# EAGLE board ControlModule-pan2 (EAGLE 7.2.0), part 4 of 9 (continued)
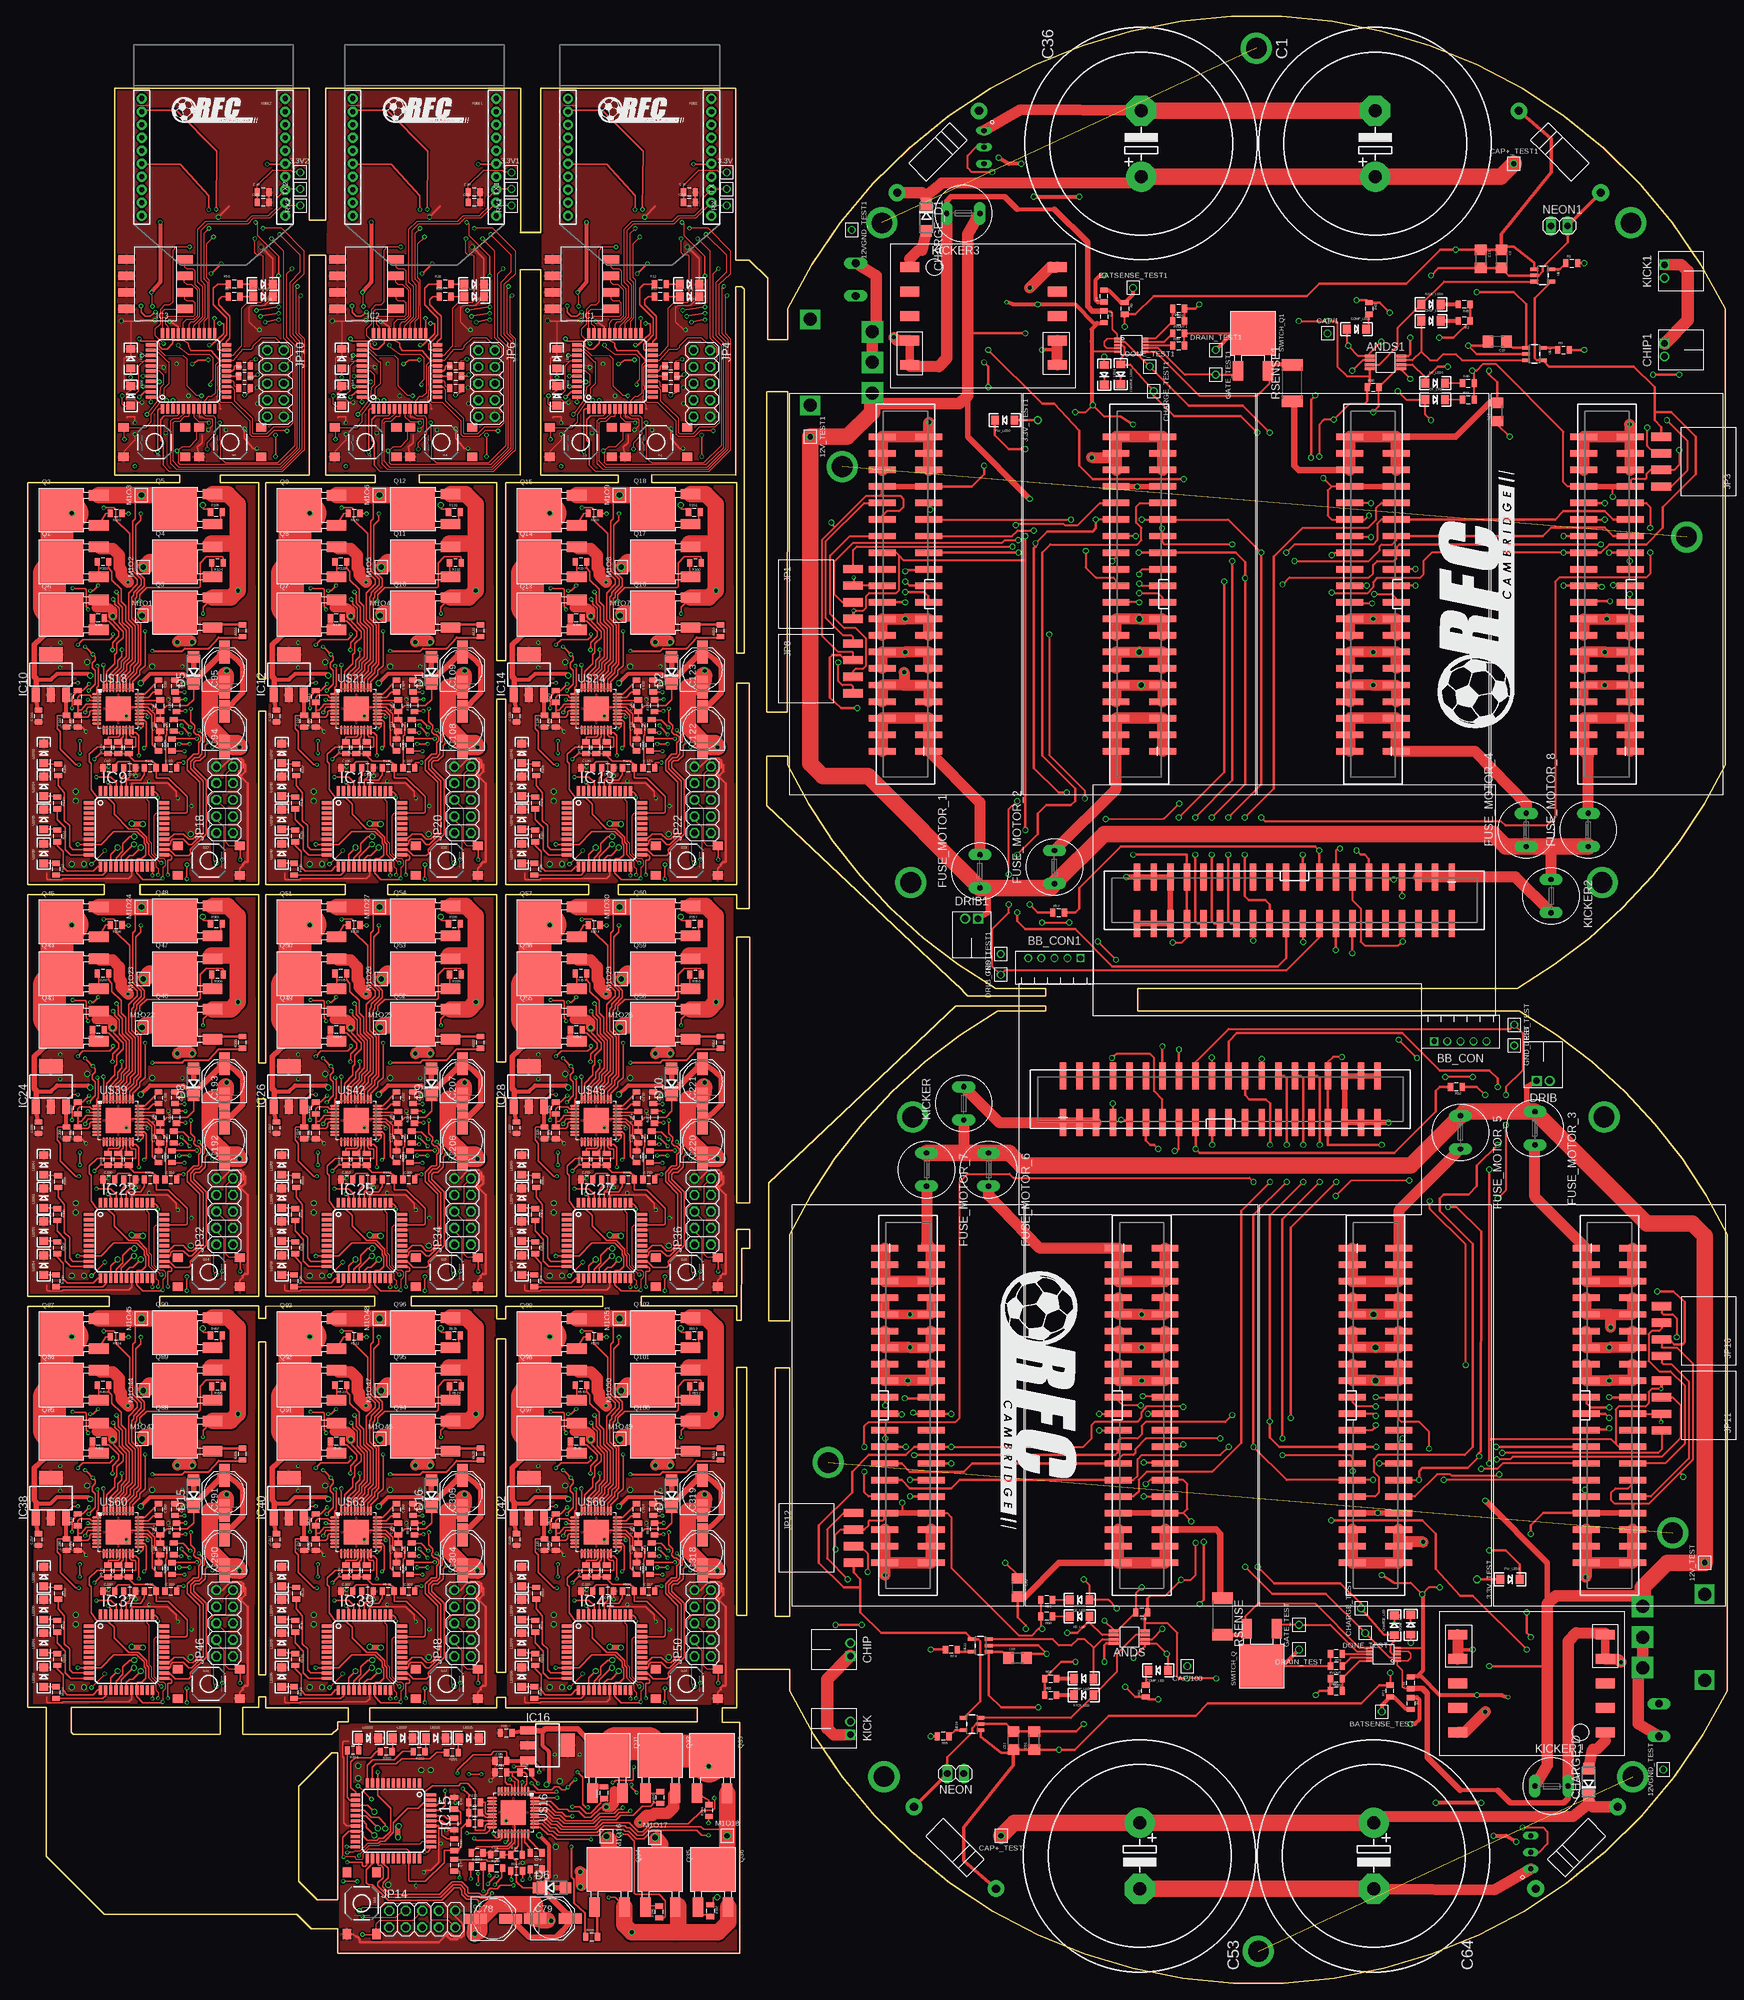
[diagram p0: board, top side]
## Tracks (layer width: path | path; a pad name or v marks a point on that pad's centre or on a via) (continued)
CHARGE  (via drill 0.6)
  Top 0.254: CHARGE_LED1.A 167.67,248.12
  Top 0.305: CHARGE_LED1.A 169.17,248.43 CHARGE_TEST1.P$1 | 167.67,248.12 167.67,249.39 168.3,250.02 168.3,250.97 167.87,251.41 CHARGE_U1.P$3
  Top 0.406: COM_BOARD1.19 v195.61,173.19 | v188.62,237.96 186.08,240.5 175.92,240.5 172.75,243.67 CHARGE_TEST1.P$1
  Bottom 0.406: v195.61,173.19 195.61,230.97 v188.62,237.96
CHARGE1  (via drill 0.38, 0.41 pad 0.25)
  Top 0.178: IC1.7 90.87,240.43 91.66,239.64 93.01,239.64 v93.17,239.48 | v94.84,239.5 94.91,234.08 95.72,233.36 103.74,233.36 106.38,236 106.38,251.38 105.15,252.61 105.15,262.34 v105.95,263.13
  Bottom 0.178: v93.17,239.48 v94.84,239.5
  Bottom 0.254: v105.95,263.13 105.15,263.93 97.69,263.93 97.37,263.53 97.37,262.73 JP2.19
CHARGE2  (via drill 0.38, 0.41 pad 0.25)
  Top 0.178: IC2.7 57.85,240.43 58.64,239.64 59.99,239.64 v60.15,239.48 | v61.82,239.5 61.89,234.08 62.7,233.36 70.72,233.36 73.36,236 73.36,251.38 72.13,252.61 72.13,262.34 v72.93,263.13
  Bottom 0.178: v60.15,239.48 v61.82,239.5
  Bottom 0.254: v72.93,263.13 72.13,263.93 64.67,263.93 64.35,263.53 64.35,262.73 JP5.19
CHARGE3  (via drill 0.38, 0.41 pad 0.25)
  Top 0.178: IC3.7 25.47,240.43 26.25,239.64 27.6,239.64 v27.76,239.48 | v29.43,239.5 29.51,234.08 30.31,233.36 38.34,233.36 40.98,236 40.98,251.38 39.75,252.61 39.75,262.34 v40.54,263.13
  Bottom 0.178: v27.76,239.48 v29.43,239.5
  Bottom 0.254: v40.54,263.13 39.75,263.93 32.29,263.93 31.97,263.53 31.97,262.73 JP9.19
CHARGE4  (via drill 0.6)
  Top 0.254: CHARGE_LED.A 209.64,53.74
  Top 0.305: CHARGE_LED.A 208.14,53.43 CHARGE_TEST.P$1 | 209.64,53.74 209.64,52.47 209.01,51.84 209.01,50.89 209.44,50.45 CHARGE_U.P$3
  Top 0.406: COM_BOARD.19 v181.7,128.67 | v188.69,63.9 191.23,61.36 201.39,61.36 204.56,58.19 CHARGE_TEST.P$1
  Bottom 0.406: v181.7,128.67 181.7,70.89 v188.69,63.9
CHARGE_DONE  (via drill 0.6)
  Top 0.305: CHARGE_U1.P$2 168.32,251.91 DONE_TEST1.P$1 | DONE_LED1.A v165.13,249.63
  Top 0.406: COM_BOARD1.17 v198.15,173.82 197.51,174.46 167.67,174.46 161.32,168.11 161.32,164.93 160.68,164.3 R52.2 | v190.53,237.96 186.4,242.08 178.15,242.08 DONE_TEST1.P$1
  Bottom 0.305: v165.13,249.63 170.61,249.63 DONE_TEST1.P$1
  Bottom 0.406: v198.15,173.82 198.15,230.34 v190.53,237.96
CHARGE_DONE1  (via drill 0.41 pad 0.25)
  Top 0.178: IC1.5 89.27,240.74 88.48,240.12 87.69,240.12 87.28,239.71 87.28,233.22 87.37,233.13 87.42,233.13 88.18,232.37 104.37,232.37 107.38,235.35 107.42,235.4 107.42,252.3 106.58,253.13 106.58,260.28
  Top 0.254: 106.58,260.28 v106.79,260.41
  Bottom 0.254: JP2.17 105.31,265.2 106.79,263.72 v106.79,260.41
CHARGE_DONE2  (via drill 0.41 pad 0.25)
  Top 0.178: IC2.5 56.25,240.74 55.46,240.12 54.67,240.12 54.26,239.71 54.26,233.22 54.35,233.13 54.4,233.13 55.16,232.37 71.35,232.37 74.36,235.35 74.4,235.4 74.4,252.3 73.56,253.13 73.56,260.28
  Top 0.254: 73.56,260.28 v73.77,260.41
  Bottom 0.254: JP5.17 72.29,265.2 73.77,263.72 v73.77,260.41
CHARGE_DONE3  (via drill 0.41 pad 0.25)
  Top 0.178: IC3.5 23.87,240.74 23.08,240.12 22.29,240.12 21.88,239.71 21.88,233.22 21.97,233.13 22.01,233.13 22.77,232.37 38.96,232.37 41.97,235.35 42.01,235.4 42.01,252.3 41.18,253.13 41.18,260.28
  Top 0.254: 41.18,260.28 v41.38,260.41
  Bottom 0.254: JP9.17 39.91,265.2 41.38,263.72 v41.38,260.41
CHARGE_DONE4  (via drill 0.6)
  Top 0.305: CHARGE_U.P$2 208.99,49.95 DONE_TEST.P$1 | DONE_LED.A v212.18,52.24
  Top 0.406: COM_BOARD.17 v179.16,128.04 179.8,127.4 209.64,127.4 215.99,133.75 215.99,136.93 216.63,137.56 R92.2 | v186.78,63.9 190.91,59.78 199.16,59.78 DONE_TEST.P$1
  Bottom 0.305: v212.18,52.24 206.71,52.24 DONE_TEST.P$1
  Bottom 0.406: v179.16,128.04 179.16,71.52 v186.78,63.9
CHIP_ENABLE  (via drill 0.6)
  Top 0.305: ANDS1.P$6 204.82,249.08 v203.23,247.48 | v210.21,244.31 211.48,243.04 CE_LED1.A 214.43,240.73 v215.29,239.86 | COM_BOARD1.13 203.23,166.2 204.5,164.93 204.5,159.85 205.13,159.22 210.21,159.22 v210.98,159.85
  Bottom 0.305: v203.23,247.48 205.77,244.31 v210.21,244.31 | v210.98,159.85 210.21,159.85 207.04,163.03 207.04,164.93 205.77,166.2 205.77,173.82 203.86,175.73 203.86,232.88 210.85,239.86 v215.29,239.86
CHIP_ENABLE1  (via drill 0.41 pad 0.25)
  Top 0.152: 103.09,238.21 103.22,238.35 105.02,238.35 v105.15,238.21
  Top 0.178: 103.09,238.21 102.3,237.42 99.76,237.42 99.44,237.73 99.44,239.8 96.58,242.66 94.99,242.66 94.87,242.77 94.87,244.13 94.97,244.22 | 103.88,265.04 100.71,268.21 100.71,269.96 100.46,270.21 v100.36,270.21
  Top 0.254: IC1.13 94.97,244.22 | v103.88,262.02 103.88,265.04
  Bottom 0.178: v103.88,262.02 102.77,260.91 102.77,254.4 105.89,251.28 105.89,238.95 v105.15,238.21 | v100.36,270.21 100.36,270.28 JP2.13
CHIP_ENABLE2  (via drill 0.41 pad 0.25)
  Top 0.152: 70.07,238.21 70.2,238.35 72,238.35 v72.13,238.21
  Top 0.178: 70.07,238.21 69.28,237.42 66.74,237.42 66.42,237.73 66.42,239.8 63.56,242.66 61.97,242.66 61.85,242.77 61.85,244.13 61.95,244.22 | 70.86,265.04 67.69,268.21 67.69,269.96 67.44,270.21 v67.34,270.21
  Top 0.254: IC2.13 61.95,244.22 | v70.86,262.02 70.86,265.04
  Bottom 0.178: v70.86,262.02 69.75,260.91 69.75,254.4 72.87,251.28 72.87,238.95 v72.13,238.21 | v67.34,270.21 67.34,270.28 JP5.13
CHIP_ENABLE3  (via drill 0.41 pad 0.25)
  Top 0.152: 37.68,238.21 37.82,238.35 39.61,238.35 v39.75,238.21
  Top 0.178: 37.68,238.21 36.89,237.42 34.35,237.42 34.03,237.73 34.03,239.8 31.18,242.66 29.59,242.66 29.47,242.77 29.47,244.13 29.56,244.22 | 38.48,265.04 35.3,268.21 35.3,269.96 35.06,270.21 v34.96,270.21
  Top 0.254: IC3.13 29.56,244.22 | v38.48,262.02 38.48,265.04
  Bottom 0.178: v38.48,262.02 37.37,260.91 37.37,254.4 40.49,251.28 40.49,238.95 v39.75,238.21 | v34.96,270.21 34.96,270.28 JP9.13
CHIP_ENABLE4  (via drill 0.6)
  Top 0.305: ANDS.P$6 172.49,52.78 v174.08,54.38 | v167.1,57.55 165.83,58.82 CE_LED.A 162.88,61.13 v162.02,62 | COM_BOARD.13 174.08,135.66 172.81,136.93 172.81,142.01 172.18,142.64 167.1,142.64 v166.33,142.01
  Bottom 0.305: v174.08,54.38 171.54,57.55 v167.1,57.55 | v166.33,142.01 167.1,142.01 170.27,138.83 170.27,136.93 171.54,135.66 171.54,128.04 173.45,126.13 173.45,68.98 166.46,62 v162.02,62
COMP_OUT  (via drill 0.6)
  Top 0.305: v170.91,60.73 170.01,59.83 R78.2 167.17,54.08 ANDS.P$1 166.6,54.24 v165.19,55.65 | COMP_LED.A 174.95,50.34 v174.72,50.57 173.15,52.13 ANDS.P$5 171.4,51.7 v169.64,49.93
  Bottom 0.305: CAP_COMP.4 173.48,60.76 v170.91,60.73 | v174.72,50.57 174.72,52.1 R83.1 | v169.64,49.93 165.19,54.38 v165.19,55.65
COMP_OUT1  (via drill 0.6)
  Top 0.305: v206.4,241.13 207.3,242.03 R38.2 210.14,247.78 ANDS1.P$1 210.71,247.62 v212.12,246.21 | COMP_LED1.A 202.36,251.52 v202.59,251.29 204.16,249.73 ANDS1.P$5 205.91,250.16 v207.67,251.93
  Bottom 0.305: CAP_COMP1.4 203.83,241.1 v206.4,241.13 | v202.59,251.29 202.59,249.76 R43.1 | v207.67,251.93 212.12,247.48 v212.12,246.21
CTS  (via drill 0.41)
  Top 0.178: IC1.24 93.25,261.39 92.87,261.77 92.87,266.96 v93.88,267.98
  Top 0.254: XBEE.12 83.07,287.42 88.17,287.42 94.4,281.19 v94.3,272.21
  Bottom 0.254: v93.88,267.98 93.85,268.04 93.85,268.2 93.85,271.77 94.26,272.18 v94.3,272.21
CTS1  (via drill 0.41)
  Top 0.178: IC2.24 60.23,261.39 59.85,261.77 59.85,266.96 v60.86,267.98
  Top 0.254: XBEE1.12 50.05,287.42 55.15,287.42 61.38,281.19 v61.28,272.21
  Bottom 0.254: v60.86,267.98 60.83,268.04 60.83,268.2 60.83,271.77 61.24,272.18 v61.28,272.21
CTS2  (via drill 0.41)
  Top 0.178: IC3.24 27.84,261.39 27.46,261.77 27.46,266.96 v28.48,267.98
  Top 0.254: XBEE2.12 17.67,287.42 22.76,287.42 29,281.19 v28.89,272.21
  Bottom 0.254: v28.48,267.98 28.44,268.04 28.44,268.2 28.44,271.77 28.86,272.18 v28.89,272.21
DATA  (via drill 0.38)
  Top 0.178: IC1.34 85.12,251.42 85.15,251.39 85.17,251.09 86.44,249.82 89.28,249.8 89.83,249.24 89.83,245.11 91.34,243.61 v92.06,243.61
  Bottom 0.178: v92.06,243.61 92.37,243.61 92.66,243.9 92.66,245.64 93.17,246.15 93.64,246.15 94.04,245.75 94.04,244.01 94.92,243.08 99.63,243.09 99.8,242.96 99.8,241.64 101,240.44 JP4.9
DATA1  (via drill 0.38)
  Top 0.178: IC2.34 52.1,251.42 52.13,251.39 52.15,251.09 53.42,249.82 56.26,249.8 56.81,249.24 56.81,245.11 58.32,243.61 v59.04,243.61
  Bottom 0.178: v59.04,243.61 59.35,243.61 59.64,243.9 59.64,245.64 60.15,246.15 60.62,246.15 61.02,245.75 61.02,244.01 61.9,243.08 66.61,243.09 66.78,242.96 66.78,241.64 67.98,240.44 JP6.9
DATA2  (via drill 0.38)
  Top 0.178: IC3.34 19.71,251.42 19.75,251.39 19.77,251.09 21.04,249.82 23.87,249.8 24.43,249.24 24.43,245.11 25.93,243.61 v26.65,243.61
  Bottom 0.178: v26.65,243.61 26.97,243.61 27.26,243.9 27.26,245.64 27.76,246.15 28.24,246.15 28.64,245.75 28.64,244.01 29.52,243.08 34.23,243.09 34.39,242.96 34.39,241.64 35.59,240.44 JP10.9
DATA6  (via drill 0.3, 0.5)
  Top 0.152: JP14.9 64.49,9.69 61.95,9.69 61.79,9.85 61.79,11.43 61,12.23 54.81,12.23 54.17,11.59 51.32,11.59 v50.84,11.12
  Top 0.254: IC15.34 61.7,20.75 61.7,20.49 61.33,20.12 v60.88,20.12
  Bottom 0.254: v50.84,11.12 49.89,11.12 49.57,11.43 49.57,17.78 49.67,17.89 49.67,28.05 51.79,30.17 59.73,30.17 61.03,28.86 61.03,20.28 v60.88,20.12
DATA8  (via drill 0.3, 0.5)
  Top 0.152: JP18.9 30.37,185.58 30.37,183.04 30.21,182.88 28.62,182.88 27.83,182.09 27.83,175.9 28.46,175.26 28.46,172.41 v28.94,171.93
  Top 0.254: IC9.34 19.31,182.79 19.56,182.79 19.94,182.42 v19.94,181.97
  Bottom 0.254: v28.94,171.93 28.94,170.98 28.62,170.66 22.27,170.66 22.17,170.76 12.01,170.76 9.89,172.88 9.89,180.82 11.19,182.12 19.78,182.12 v19.94,181.97
DATA9  (via drill 0.3, 0.5)
  Top 0.152: JP20.9 66.88,185.58 66.88,183.04 66.72,182.88 65.14,182.88 64.34,182.09 64.34,175.9 64.98,175.26 64.98,172.41 v65.45,171.93
  Top 0.254: IC11.34 55.82,182.79 56.08,182.79 56.45,182.42 v56.45,181.97
  Bottom 0.254: v65.45,171.93 65.45,170.98 65.14,170.66 58.79,170.66 58.68,170.76 48.52,170.76 46.4,172.88 46.4,180.82 47.71,182.12 56.29,182.12 v56.45,181.97
DATA10  (via drill 0.3, 0.5)
  Top 0.152: JP22.9 103.71,185.58 103.71,183.04 103.55,182.88 101.97,182.88 101.17,182.09 101.17,175.9 101.81,175.26 101.81,172.41 v102.28,171.93
  Top 0.254: IC13.34 92.65,182.79 92.91,182.79 93.28,182.42 v93.28,181.97
  Bottom 0.254: v102.28,171.93 102.28,170.98 101.97,170.66 95.62,170.66 95.51,170.76 85.35,170.76 83.23,172.88 83.23,180.82 84.54,182.12 93.12,182.12 v93.28,181.97
DATA15  (via drill 0.3, 0.5)
  Top 0.152: JP32.9 30.37,122.4 30.37,119.86 30.21,119.7 28.62,119.7 27.83,118.91 27.83,112.72 28.46,112.08 28.46,109.22 v28.94,108.75
  Top 0.254: IC23.34 19.31,119.61 19.56,119.61 19.94,119.23 v19.94,118.78
  Bottom 0.254: v28.94,108.75 28.94,107.79 28.62,107.48 22.27,107.48 22.17,107.58 12.01,107.58 9.89,109.7 9.89,117.64 11.19,118.94 19.78,118.94 v19.94,118.78
DATA16  (via drill 0.3, 0.5)
  Top 0.152: JP34.9 66.88,122.4 66.88,119.86 66.72,119.7 65.14,119.7 64.34,118.91 64.34,112.72 64.98,112.08 64.98,109.22 v65.45,108.75
  Top 0.254: IC25.34 55.82,119.61 56.08,119.61 56.45,119.23 v56.45,118.78
  Bottom 0.254: v65.45,108.75 65.45,107.79 65.14,107.48 58.79,107.48 58.68,107.58 48.52,107.58 46.4,109.7 46.4,117.64 47.71,118.94 56.29,118.94 v56.45,118.78
DATA17  (via drill 0.3, 0.5)
  Top 0.152: JP36.9 103.71,122.4 103.71,119.86 103.55,119.7 101.97,119.7 101.17,118.91 101.17,112.72 101.81,112.08 101.81,109.22 v102.28,108.75
  Top 0.254: IC27.34 92.65,119.61 92.91,119.61 93.28,119.23 v93.28,118.78
  Bottom 0.254: v102.28,108.75 102.28,107.79 101.97,107.48 95.62,107.48 95.51,107.58 85.35,107.58 83.23,109.7 83.23,117.64 84.54,118.94 93.12,118.94 v93.28,118.78
DATA22  (via drill 0.3, 0.5)
  Top 0.152: JP46.9 30.37,59.22 30.37,56.68 30.21,56.52 28.62,56.52 27.83,55.72 27.83,49.53 28.46,48.9 28.46,46.04 v28.94,45.56
  Top 0.254: IC37.34 19.31,56.42 19.56,56.42 19.94,56.05 v19.94,55.6
  Bottom 0.254: v28.94,45.56 28.94,44.61 28.62,44.29 22.27,44.29 22.17,44.4 12.01,44.4 9.89,46.52 9.89,54.45 11.19,55.76 19.78,55.76 v19.94,55.6
DATA23  (via drill 0.3, 0.5)
  Top 0.152: JP48.9 66.88,59.22 66.88,56.68 66.72,56.52 65.14,56.52 64.34,55.72 64.34,49.53 64.98,48.9 64.98,46.04 v65.45,45.56
  Top 0.254: IC39.34 55.82,56.42 56.08,56.42 56.45,56.05 v56.45,55.6
  Bottom 0.254: v65.45,45.56 65.45,44.61 65.14,44.29 58.79,44.29 58.68,44.4 48.52,44.4 46.4,46.52 46.4,54.45 47.71,55.76 56.29,55.76 v56.45,55.6
DATA24  (via drill 0.3, 0.5)
  Top 0.152: JP50.9 103.71,59.22 103.71,56.68 103.55,56.52 101.97,56.52 101.17,55.72 101.17,49.53 101.81,48.9 101.81,46.04 v102.28,45.56
  Top 0.254: IC41.34 92.65,56.42 92.91,56.42 93.28,56.05 v93.28,55.6
  Bottom 0.254: v102.28,45.56 102.28,44.61 101.97,44.29 95.62,44.29 95.51,44.4 85.35,44.4 83.23,46.52 83.23,54.45 84.54,55.76 93.12,55.76 v93.28,55.6
DIR  (via drill 0.3)
  Top 0.254: IC9.25 21.78,174.77 21.96,174.95 21.96,175.32 22.23,175.57 22.24,175.58 23.86,175.58 24.65,174.79 25.11,174.77 26.88,176.53 26.88,184.47 24.97,186.38 24.97,187.49 25.61,188.12 26.24,188.12 26.72,188.6 26.72,190.24 27.06,190.58 27.06,191.48 v26.23,192.3 | R106.2 22.7,193.84 23.83,193.84 v24.92,192.74
  Bottom 0.254: v24.92,192.74 25.8,192.74 v26.23,192.3
DIR1  (via drill 0.3)
  Top 0.254: IC11.25 58.29,174.77 58.47,174.95 58.47,175.32 58.74,175.57 58.75,175.58 60.37,175.58 61.17,174.79 61.62,174.77 63.39,176.53 63.39,184.47 61.48,186.38 61.48,187.49 62.12,188.12 62.75,188.12 63.23,188.6 63.23,190.24 63.57,190.58 63.57,191.48 v62.74,192.3 | R134.2 59.21,193.84 60.34,193.84 v61.44,192.74
  Bottom 0.254: v61.44,192.74 62.31,192.74 v62.74,192.3
DIR2  (via drill 0.3)
  Top 0.254: IC13.25 95.12,174.77 95.3,174.95 95.3,175.32 95.57,175.57 95.58,175.58 97.2,175.58 98,174.79 98.45,174.77 100.22,176.53 100.22,184.47 98.31,186.38 98.31,187.49 98.95,188.12 99.58,188.12 100.06,188.6 100.06,190.24 100.4,190.58 100.4,191.48 v99.57,192.3 | R162.2 96.04,193.84 97.17,193.84 v98.27,192.74
  Bottom 0.254: v98.27,192.74 99.14,192.74 v99.57,192.3
DIR5  (via drill 0.3)
  Top 0.254: IC15.25 53.68,18.28 53.86,18.1 54.24,18.1 54.49,17.83 54.5,17.82 54.5,16.2 53.7,15.4 53.68,14.94 55.44,13.18 63.38,13.18 65.29,15.08 66.4,15.08 67.03,14.45 67.03,13.81 67.51,13.34 69.15,13.34 69.49,13 70.39,13 v71.22,13.82 | R198.2 72.75,17.36 72.75,16.23 v71.65,15.13
  Bottom 0.254: v71.65,15.13 71.65,14.26 v71.22,13.82
DIR7  (via drill 0.3)
  Top 0.254: IC23.25 21.78,111.59 21.96,111.76 21.96,112.14 22.23,112.39 22.24,112.4 23.86,112.4 24.65,111.6 25.11,111.59 26.88,113.35 26.88,121.29 24.97,123.19 24.97,124.3 25.61,124.94 26.24,124.94 26.72,125.42 26.72,127.06 27.06,127.4 27.06,128.3 v26.23,129.12 | R302.2 22.7,130.65 23.83,130.65 v24.92,129.56
  Bottom 0.254: v24.92,129.56 25.8,129.56 v26.23,129.12
DIR8  (via drill 0.3)
  Top 0.254: IC25.25 58.29,111.59 58.47,111.76 58.47,112.14 58.74,112.39 58.75,112.4 60.37,112.4 61.17,111.6 61.62,111.59 63.39,113.35 63.39,121.29 61.48,123.19 61.48,124.3 62.12,124.94 62.75,124.94 63.23,125.42 63.23,127.06 63.57,127.4 63.57,128.3 v62.74,129.12 | R330.2 59.21,130.65 60.34,130.65 v61.44,129.56
  Bottom 0.254: v61.44,129.56 62.31,129.56 v62.74,129.12
DIR9  (via drill 0.3)
  Top 0.254: IC27.25 95.12,111.59 95.3,111.76 95.3,112.14 95.57,112.39 95.58,112.4 97.2,112.4 98,111.6 98.45,111.59 100.22,113.35 100.22,121.29 98.31,123.19 98.31,124.3 98.95,124.94 99.58,124.94 100.06,125.42 100.06,127.06 100.4,127.4 100.4,128.3 v99.57,129.12 | R358.2 96.04,130.65 97.17,130.65 v98.27,129.56
  Bottom 0.254: v98.27,129.56 99.14,129.56 v99.57,129.12
DIR14  (via drill 0.3)
  Top 0.254: IC37.25 21.78,48.4 21.96,48.58 21.96,48.96 22.23,49.21 22.24,49.22 23.86,49.22 24.65,48.42 25.11,48.4 26.88,50.17 26.88,58.11 24.97,60.01 24.97,61.12 25.61,61.76 26.24,61.76 26.72,62.23 26.72,63.88 27.06,64.21 27.06,65.12 v26.23,65.94 | R498.2 22.7,67.47 23.83,67.47 v24.92,66.38
  Bottom 0.254: v24.92,66.38 25.8,66.38 v26.23,65.94
DIR15  (via drill 0.3)
  Top 0.254: IC39.25 58.29,48.4 58.47,48.58 58.47,48.96 58.74,49.21 58.75,49.22 60.37,49.22 61.17,48.42 61.62,48.4 63.39,50.17 63.39,58.11 61.48,60.01 61.48,61.12 62.12,61.76 62.75,61.76 63.23,62.23 63.23,63.88 63.57,64.21 63.57,65.12 v62.74,65.94 | R526.2 59.21,67.47 60.34,67.47 v61.44,66.38
  Bottom 0.254: v61.44,66.38 62.31,66.38 v62.74,65.94
DIR16  (via drill 0.3)
  Top 0.254: IC41.25 95.12,48.4 95.3,48.58 95.3,48.96 95.57,49.21 95.58,49.22 97.2,49.22 98,48.42 98.45,48.4 100.22,50.17 100.22,58.11 98.31,60.01 98.31,61.12 98.95,61.76 99.58,61.76 100.06,62.23 100.06,63.88 100.4,64.21 100.4,65.12 v99.57,65.94 | R554.2 96.04,67.47 97.17,67.47 v98.27,66.38
  Bottom 0.254: v98.27,66.38 99.14,66.38 v99.57,65.94
DISCHARGE  (via drill 0.6)
  Top 0.406: COM_BOARD1.16 v200.69,158.58 | v176.56,178.9 183.54,185.89 v183.54,215.1 | v147.35,250.66 155.6,242.4 157.51,242.4 161.32,238.27 161.32,232.88 163.38,230.81 v177.35,230.81
  Bottom 0.406: v200.69,158.58 178.46,158.58 176.56,160.49 v176.56,178.9 | v183.54,215.1 182.91,215.73 179.1,215.73 177.83,217 177.83,230.34 v177.35,230.81 | v147.35,250.66 146.08,251.93 R51.1
DISCHARGE1  (via drill 0.41 pad 0.25)
  Top 0.178: IC1.6 90.07,240.43 89.44,240.43 89.44,240.41 88.77,239.75 87.95,239.75 87.63,239.42 87.63,233.65 88.58,232.7 104.21,232.7 107.06,235.51 107.08,235.53 107.08,252 106.11,252.97 106.11,260.75 107.85,262.34 107.85,265.83 104.36,269.33 v101.5,269.33
  Bottom 0.254: v101.5,269.33 101.5,270.28 100.19,271.59 95.41,271.59 95.02,271.98 95.02,272.79 93.7,274.12 88.28,274.12 87.85,273.69 87.85,270.92 87.85,270.91 87.85,269.64 88.48,269.01 89.75,269.01 90.23,268.53 90.23,267.82 JP2.16
DISCHARGE2  (via drill 0.41 pad 0.25)
  Top 0.178: IC2.6 57.05,240.43 56.42,240.43 56.42,240.41 55.75,239.75 54.93,239.75 54.61,239.42 54.61,233.65 55.56,232.7 71.19,232.7 74.04,235.51 74.06,235.53 74.06,252 73.09,252.97 73.09,260.75 74.83,262.34 74.83,265.83 71.34,269.33 v68.48,269.33
  Bottom 0.254: v68.48,269.33 68.48,270.28 67.17,271.59 62.39,271.59 62,271.98 62,272.79 60.68,274.12 55.26,274.12 54.83,273.69 54.83,270.92 54.83,270.91 54.83,269.64 55.46,269.01 56.73,269.01 57.21,268.53 57.21,267.82 JP5.16
DISCHARGE3  (via drill 0.41 pad 0.25)
  Top 0.178: IC3.6 24.67,240.43 24.03,240.43 24.03,240.41 23.36,239.75 22.55,239.75 22.23,239.42 22.23,233.65 23.17,232.7 38.81,232.7 41.65,235.51 41.67,235.53 41.67,252 40.7,252.97 40.7,260.75 42.45,262.34 42.45,265.83 38.95,269.33 v36.1,269.33
  Bottom 0.254: v36.1,269.33 36.1,270.28 34.78,271.59 30,271.59 29.62,271.98 29.62,272.79 28.3,274.12 22.87,274.12 22.45,273.69 22.45,270.92 22.44,270.91 22.44,269.64 23.08,269.01 24.35,269.01 24.83,268.53 24.83,267.82 JP9.16
DISCHARGE4  (via drill 0.6)
  Top 0.406: COM_BOARD.16 v176.62,143.28 | v200.75,122.96 193.77,115.97 v193.77,86.76 | v229.96,51.2 221.71,59.46 219.8,59.46 215.99,63.59 215.99,68.98 213.93,71.05 v199.96,71.05
  Bottom 0.406: v176.62,143.28 198.85,143.28 200.75,141.37 v200.75,122.96 | v193.77,86.76 194.4,86.13 198.21,86.13 199.48,84.86 199.48,71.52 v199.96,71.05 | v229.96,51.2 231.23,49.93 R91.1
DIVCAP  (via drill 0.6)
  Top 0.406: COM_BOARD1.14 v203.23,158.07 | v196.88,234.15 196.88,243.04 v197.51,243.67
  Bottom 0.305: CAP_SENSE_BUF1.4 197.55,256.06 CAP_SENSE_BUF1.1 | R44.2 196.85,249.15 CAP_SENSE_BUF1.1 | CAP/1.P$1 196.85,255.77 CAP_SENSE_BUF1.1
  Bottom 0.406: v203.23,158.07 203.23,159.85 200.05,163.03 200.05,212.08 198.78,213.35 198.78,219.46 200.05,220.73 200.05,230.97 v196.88,234.15 | v197.51,243.67 198.52,244.68 R44.2
DIVCAP1  (via drill 0.41 pad 0.25)
  Top 0.254: IC1.42 84.27,245.04 v83.09,245.04
  Bottom 0.178: v83.09,245.04 83.09,245.51 83.88,246.31 83.88,248.85 84.67,249.64 84.67,253.77 83.82,254.63 83.82,257.85 84.1,258.13 84.59,258.13 85.31,257.58 86.9,257.58 87.53,258.21 87.53,260.75 88.17,261.39 93.72,261.39 94.19,261.86 94.19,265.87 93.09,266.97 93.09,267.98 91.98,269.01 90.55,269.01 90.23,269.33 90.23,270.2
  Bottom 0.254: 90.23,270.2 JP2.14
DIVCAP2  (via drill 0.41 pad 0.25)
  Top 0.254: IC2.42 51.25,245.04 v50.07,245.04
  Bottom 0.178: v50.07,245.04 50.07,245.51 50.86,246.31 50.86,248.85 51.65,249.64 51.65,253.77 50.8,254.63 50.8,257.85 51.08,258.13 51.57,258.13 52.29,257.58 53.88,257.58 54.51,258.21 54.51,260.75 55.15,261.39 60.7,261.39 61.17,261.86 61.17,265.87 60.07,266.97 60.07,267.98 58.96,269.01 57.53,269.01 57.21,269.33 57.21,270.2
  Bottom 0.254: 57.21,270.2 JP5.14
DIVCAP3  (via drill 0.41 pad 0.25)
  Top 0.254: IC3.42 18.87,245.04 v17.68,245.04
  Bottom 0.178: v17.68,245.04 17.68,245.51 18.48,246.31 18.48,248.85 19.27,249.64 19.27,253.77 18.41,254.63 18.41,257.85 18.69,258.13 19.19,258.13 19.9,257.58 21.49,257.58 22.13,258.21 22.13,260.75 22.76,261.39 28.32,261.39 28.78,261.86 28.78,265.87 27.68,266.97 27.68,267.98 26.57,269.01 25.14,269.01 24.83,269.33 24.83,270.2
  Bottom 0.254: 24.83,270.2 JP9.14
DIVCAP4  (via drill 0.6)
  Top 0.406: COM_BOARD.14 v174.08,143.79 | v180.43,67.71 180.43,58.82 v179.8,58.19
  Bottom 0.305: CAP_SENSE_BUF.4 179.76,45.8 CAP_SENSE_BUF.1 | R84.2 180.46,52.71 CAP_SENSE_BUF.1 | CAP/100.P$1 180.46,46.09 CAP_SENSE_BUF.1
  Bottom 0.406: v174.08,143.79 174.08,142.01 177.26,138.83 177.26,89.78 178.53,88.51 178.53,82.4 177.26,81.13 177.26,70.89 v180.43,67.71 | v179.8,58.19 178.79,57.18 R84.2
DRIB  (via drill 0.6)
  Top 0.305: COM_BOARD1.18 198.15,160.49 193.07,155.41 149.89,155.41 DRIB_TEST1.P$1 147.98,156.04 147.98,161.76 150.52,164.3 v150.52,165.57 | v150.52,170.17 150.52,180.17 v151.79,181.44
  Bottom 0.305: v150.52,165.57 v150.52,170.17 | v151.79,181.44 149.05,181.44 DRIB_TRAN1.GATE
DRIB1  (via drill 0.38 pad 0.25, 0.41 pad 0.25)
  Top 0.178: v90.23,266.47 88.17,266.47 87.69,265.99 87.69,258.05 87.21,257.58 86.42,257.58 85.7,256.86 85.7,254.64 84.99,253.93 84.99,252.82 v86.25,251.63
  Top 0.254: IC1.43 83.38,244.22 v82.5,243.42
  Bottom 0.178: v82.5,243.42 84.2,244.56 84.2,245.51 84.67,246.15 84.67,248.21 84.83,248.37 85.62,248.37 85.72,248.48 85.86,248.48 86.26,248.88 | v86.25,251.63 86.26,249.16 86.26,248.88 | 86.26,248.88
  Bottom 0.254: v90.23,266.47 90.23,265.28 JP2.18
DRIB2  (via drill 0.38 pad 0.25, 0.41 pad 0.25)
  Top 0.178: v57.21,266.47 55.15,266.47 54.67,265.99 54.67,258.05 54.19,257.58 53.4,257.58 52.68,256.86 52.68,254.64 51.97,253.93 51.97,252.82 v53.23,251.63
  Top 0.254: IC2.43 50.36,244.22 v49.48,243.42
  Bottom 0.178: v49.48,243.42 51.18,244.56 51.18,245.51 51.65,246.15 51.65,248.21 51.81,248.37 52.6,248.37 52.7,248.48 52.84,248.48 53.24,248.88 | v53.23,251.63 53.24,249.16 53.24,248.88 | 53.24,248.88
  Bottom 0.254: v57.21,266.47 57.21,265.28 JP5.18
DRIB3  (via drill 0.38 pad 0.25, 0.41 pad 0.25)
  Top 0.178: v24.83,266.47 22.76,266.47 22.29,265.99 22.29,258.05 21.81,257.58 21.02,257.58 20.29,256.86 20.29,254.64 19.59,253.93 19.59,252.82 v20.84,251.63
  Top 0.254: IC3.43 17.97,244.22 v17.09,243.42
  Bottom 0.178: v17.09,243.42 18.79,244.56 18.79,245.51 19.27,246.15 19.27,248.21 19.43,248.37 20.21,248.37 20.32,248.48 20.46,248.48 20.86,248.88 | v20.84,251.63 20.86,249.16 20.86,248.88 | 20.86,248.88
  Bottom 0.254: v24.83,266.47 24.83,265.28 JP9.18
DRIB4  (via drill 0.6)
  Top 0.305: COM_BOARD.18 179.16,141.37 184.24,146.45 227.42,146.45 DRIB_TEST.P$1 229.33,145.82 229.33,140.1 226.79,137.56 v226.79,136.29 | v226.79,131.69 226.79,121.69 v225.52,120.42
  Bottom 0.305: v226.79,136.29 v226.79,131.69 | v225.52,120.42 228.26,120.42 DRIB_TRAN.GATE
ENABLE  (via drill 0.3)
  Top 0.254: IC9.26 21.63,175.57 22.43,176.37 23.86,176.37 24.65,175.58 25.28,175.57 26.4,176.69 26.4,184.31 24.5,186.22 24.5,187.65 25.45,188.6 26.08,188.6 26.24,188.76 26.24,190.38 26.57,190.7 26.57,191.24 26.17,191.64 25.86,191.64 25.47,192.03 25.47,192.38 25.58,192.48 25.58,193.08 25.56,193.08 25.03,193.61 v25.02,195.59 | v24.19,197.01 22.64,197.01 R120.2
  Bottom 0.254: v25.02,195.59 24.19,196.42 v24.19,197.01
ENABLE1  (via drill 0.3)
  Top 0.254: IC11.26 58.14,175.57 58.94,176.37 60.37,176.37 61.17,175.58 61.79,175.57 62.91,176.69 62.91,184.31 61.01,186.22 61.01,187.65 61.96,188.6 62.6,188.6 62.75,188.76 62.75,190.38 63.08,190.7 63.08,191.24 62.68,191.64 62.38,191.64 61.98,192.03 61.98,192.38 62.09,192.48 62.09,193.08 62.07,193.08 61.54,193.61 v61.54,195.59 | v60.71,197.01 59.16,197.01 R148.2
  Bottom 0.254: v61.54,195.59 60.71,196.42 v60.71,197.01
ENABLE2  (via drill 0.3)
  Top 0.254: IC13.26 94.97,175.57 95.77,176.37 97.2,176.37 98,175.58 98.62,175.57 99.74,176.69 99.74,184.31 97.84,186.22 97.84,187.65 98.79,188.6 99.43,188.6 99.58,188.76 99.58,190.38 99.91,190.7 99.91,191.24 99.51,191.64 99.21,191.64 98.81,192.03 98.81,192.38 98.92,192.48 98.92,193.08 98.9,193.08 98.37,193.61 v98.37,195.59 | v97.54,197.01 95.99,197.01 R176.2
  Bottom 0.254: v98.37,195.59 97.54,196.42 v97.54,197.01
ENABLE5  (via drill 0.3)
  Top 0.254: IC15.26 54.48,18.43 55.29,17.62 55.29,16.2 54.49,15.4 54.48,14.78 55.6,13.66 63.22,13.66 65.13,15.56 66.56,15.56 67.51,14.61 67.51,13.97 67.67,13.81 69.29,13.81 69.62,13.49 70.15,13.49 70.55,13.89 70.55,14.19 70.95,14.59 71.29,14.59 71.4,14.48 71.99,14.48 71.99,14.5 72.52,15.03 v74.5,15.03 | v75.92,15.86 75.92,17.41 R212.2
  Bottom 0.254: v74.5,15.03 75.33,15.86 v75.92,15.86
ENABLE7  (via drill 0.3)
  Top 0.254: IC23.26 21.63,112.39 22.43,113.19 23.86,113.19 24.65,112.4 25.28,112.39 26.4,113.51 26.4,121.13 24.5,123.03 24.5,124.46 25.45,125.42 26.08,125.42 26.24,125.57 26.24,127.2 26.57,127.52 26.57,128.06 26.17,128.46 25.86,128.46 25.47,128.85 25.47,129.19 25.58,129.3 25.58,129.89 25.56,129.89 25.03,130.42 v25.02,132.41 | v24.19,133.83 22.64,133.83 R316.2
  Bottom 0.254: v25.02,132.41 24.19,133.24 v24.19,133.83
ENABLE8  (via drill 0.3)
  Top 0.254: IC25.26 58.14,112.39 58.94,113.19 60.37,113.19 61.17,112.4 61.79,112.39 62.91,113.51 62.91,121.13 61.01,123.03 61.01,124.46 61.96,125.42 62.6,125.42 62.75,125.57 62.75,127.2 63.08,127.52 63.08,128.06 62.68,128.46 62.38,128.46 61.98,128.85 61.98,129.19 62.09,129.3 62.09,129.89 62.07,129.89 61.54,130.42 v61.54,132.41 | v60.71,133.83 59.16,133.83 R344.2
  Bottom 0.254: v61.54,132.41 60.71,133.24 v60.71,133.83
ENABLE9  (via drill 0.3)
  Top 0.254: IC27.26 94.97,112.39 95.77,113.19 97.2,113.19 98,112.4 98.62,112.39 99.74,113.51 99.74,121.13 97.84,123.03 97.84,124.46 98.79,125.42 99.43,125.42 99.58,125.57 99.58,127.2 99.91,127.52 99.91,128.06 99.51,128.46 99.21,128.46 98.81,128.85 98.81,129.19 98.92,129.3 98.92,129.89 98.9,129.89 98.37,130.42 v98.37,132.41 | v97.54,133.83 95.99,133.83 R372.2
  Bottom 0.254: v98.37,132.41 97.54,133.24 v97.54,133.83
ENABLE14  (via drill 0.3)